# Altium PCB SVPX_FMC_6U_SOM.PcbDoc (part 2 of 9)
Units mm, origin at the board's own origin, x right, y up, seen from the top; angles counter-clockwise.
Board outline 160.38 x 233.53 mm, 10 copper layers (Top Layer, L1, P1, L2, P2, P3, L3, P4, L4, Bottom Layer), stack 1.749 mm thick; 649 components, 1262 nets, 4113 pads, 1924 vias.
Unrouted connection lines stored in the file: 1553.
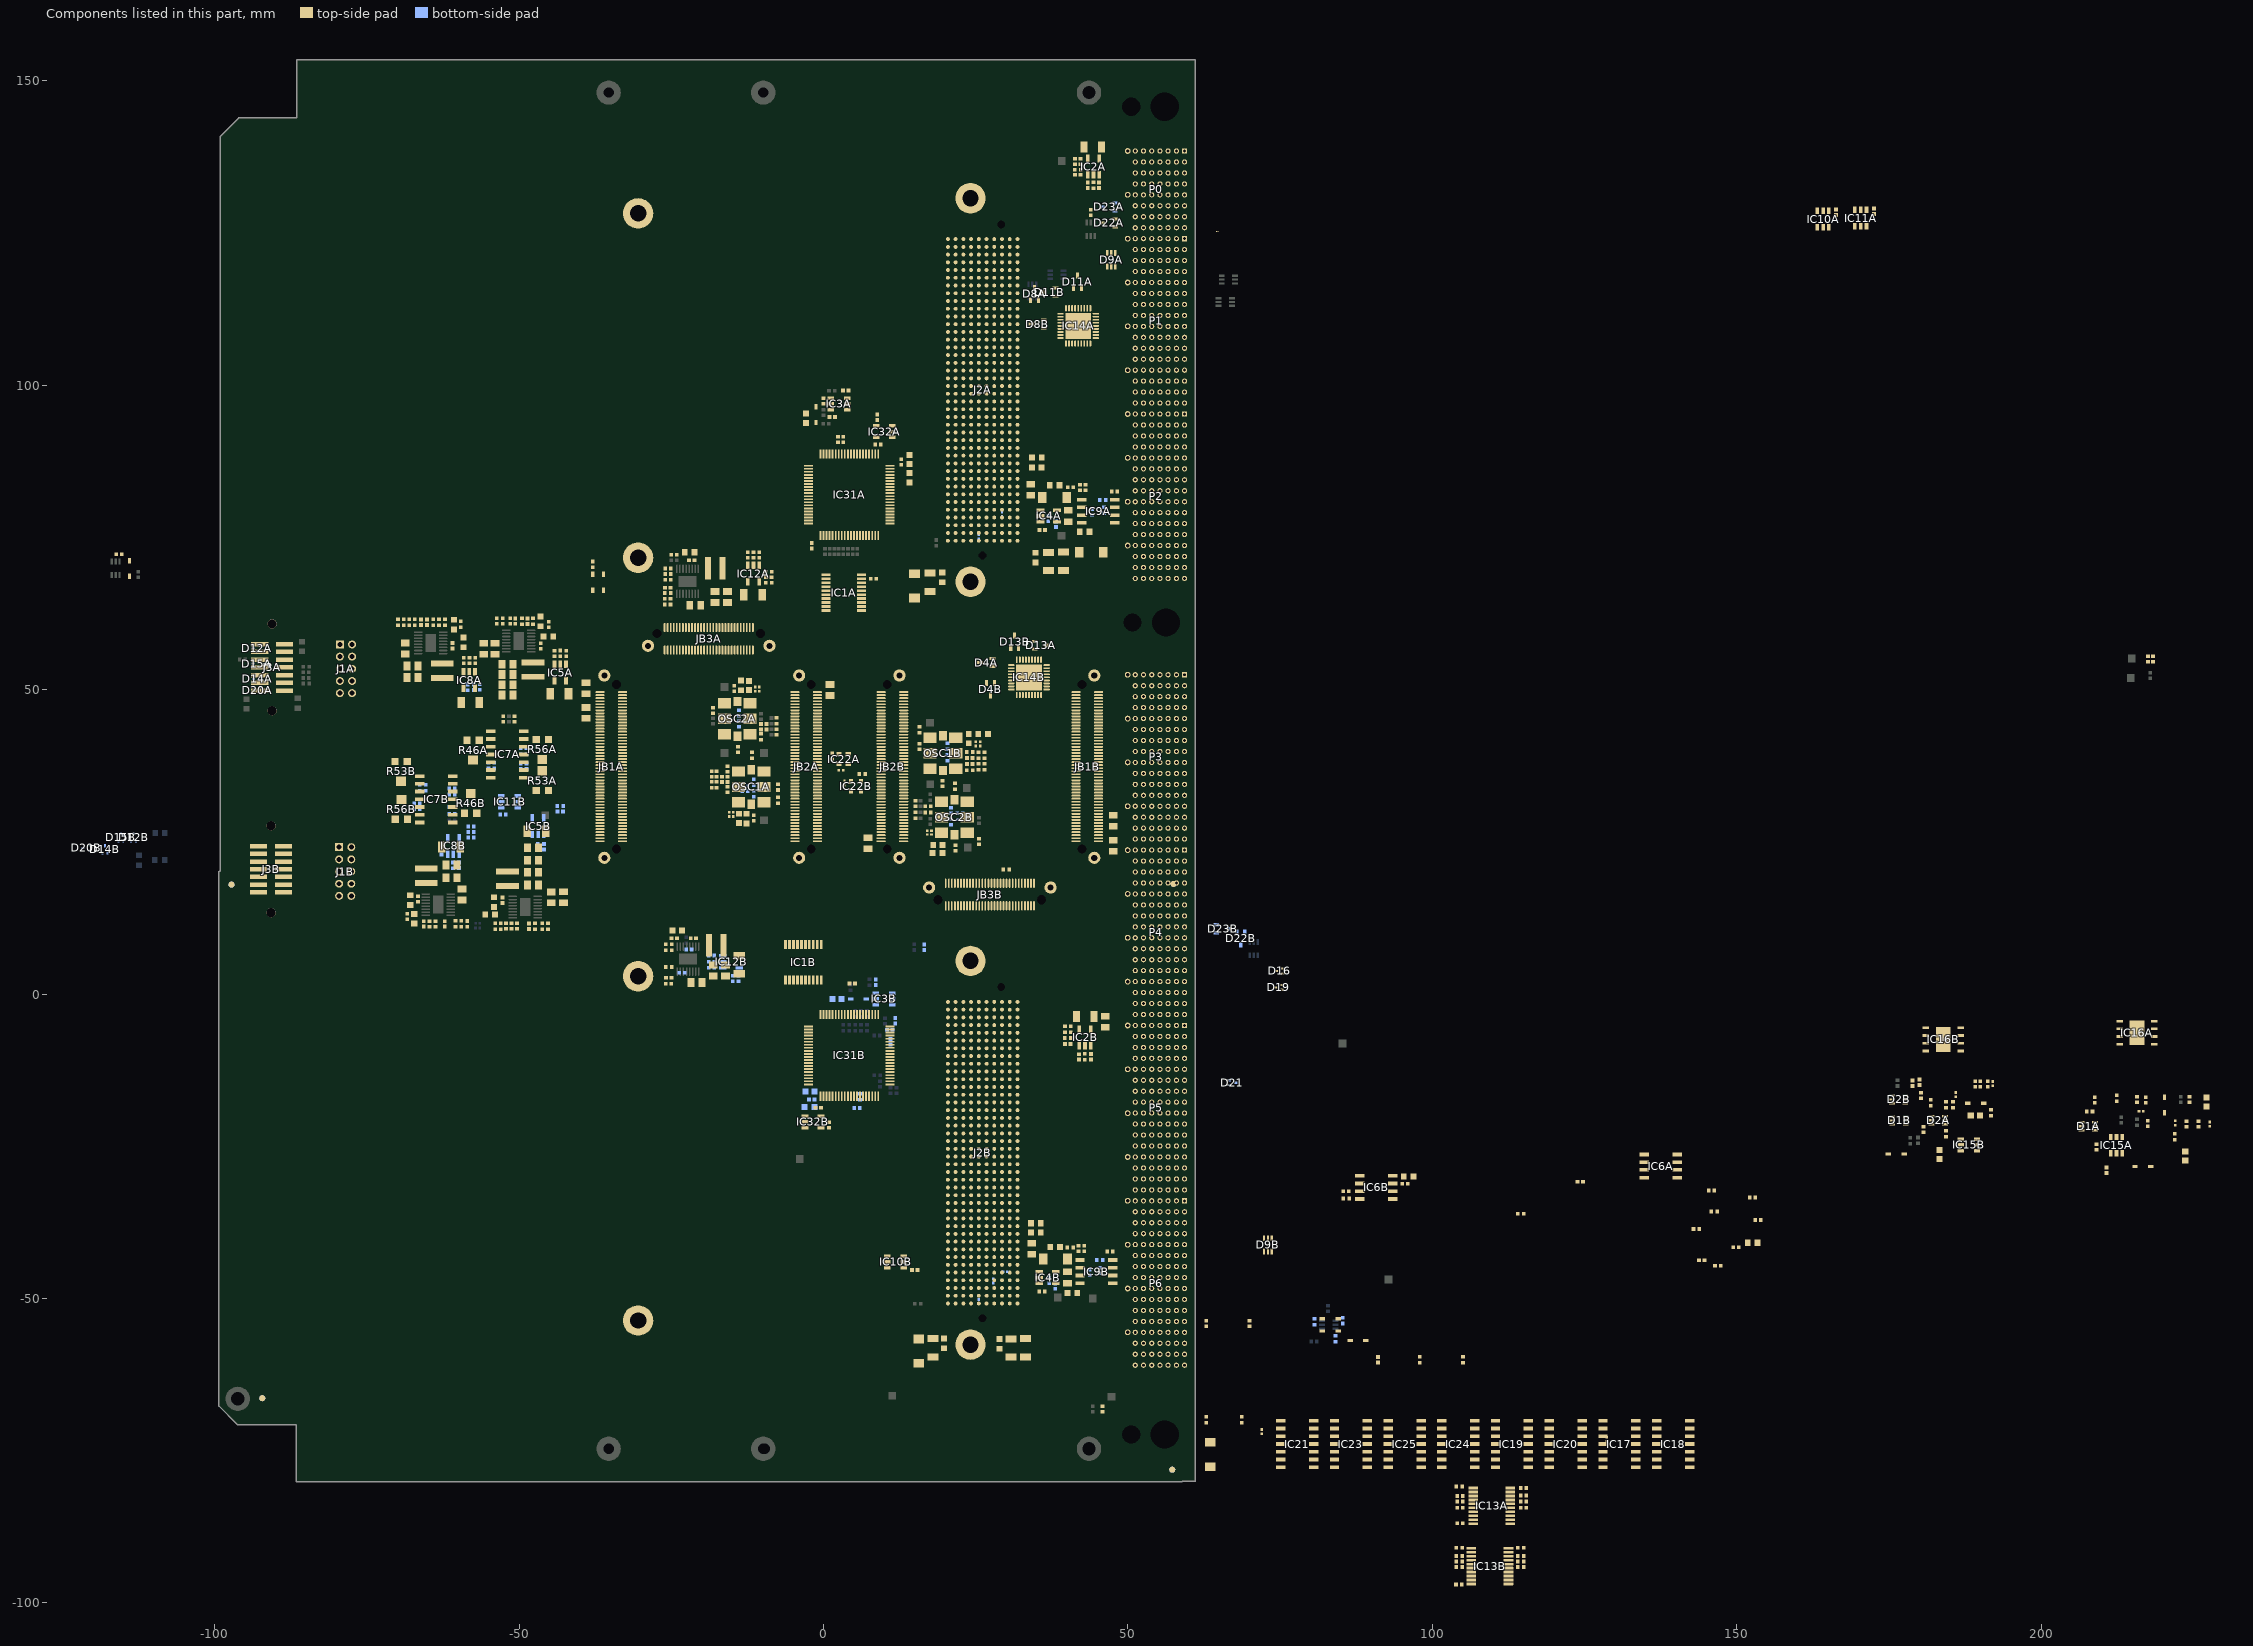
[diagram p10: the components of this part, seen from the top]

## Classes and differential pairs (continued)
differential pair HA03B: +HA03B_P -HA03B_N
differential pair HA03A: +HA03A_P -HA03A_N
differential pair HA02B: +HA02B_P -HA02B_N
differential pair HA02A: +HA02A_P -HA02A_N
differential pair HA01_CCB: +HA01_CCB_P -HA01_CCB_N
differential pair HA01_CCA: +HA01_CCA_P -HA01_CCA_N
differential pair HA00_CCB: +HA00_CCB_P -HA00_CCB_N
differential pair HA00_CCA: +HA00_CCA_P -HA00_CCA_N
differential pair GBTCLK1_M2CB: +GBTCLK1_M2CB_P -GBTCLK1_M2CB_N
differential pair GBTCLK1_M2CA: +GBTCLK1_M2CA_P -GBTCLK1_M2CA_N
differential pair GBTCLK0_M2CB: +GBTCLK0_M2CB_P -GBTCLK0_M2CB_N
differential pair GBTCLK0_M2CA: +GBTCLK0_M2CA_P -GBTCLK0_M2CA_N
differential pair DP9_M2CB: +DP9_M2CB_P -DP9_M2CB_N
differential pair DP9_M2CA: +DP9_M2CA_P -DP9_M2CA_N
differential pair DP9_C2MB: +DP9_C2MB_P -DP9_C2MB_N
differential pair DP9_C2MA: +DP9_C2MA_P -DP9_C2MA_N
differential pair DP8_M2CB: +DP8_M2CB_P -DP8_M2CB_N
differential pair DP8_M2CA: +DP8_M2CA_P -DP8_M2CA_N
differential pair DP8_C2MB: +DP8_C2MB_P -DP8_C2MB_N
differential pair DP8_C2MA: +DP8_C2MA_P -DP8_C2MA_N
differential pair DP7_M2CB: +DP7_M2CB_P -DP7_M2CB_N
differential pair DP7_M2CA: +DP7_M2CA_P -DP7_M2CA_N
differential pair DP7_C2MB: +DP7_C2MB_P -DP7_C2MB_N
differential pair DP7_C2MA: +DP7_C2MA_P -DP7_C2MA_N
differential pair DP6_M2CB: +DP6_M2CB_P -DP6_M2CB_N
differential pair DP6_M2CA: +DP6_M2CA_P -DP6_M2CA_N
differential pair DP6_C2MB: +DP6_C2MB_P -DP6_C2MB_N
differential pair DP6_C2MA: +DP6_C2MA_P -DP6_C2MA_N
differential pair DP5_M2CB: +DP5_M2CB_P -DP5_M2CB_N
differential pair DP5_M2CA: +DP5_M2CA_P -DP5_M2CA_N
differential pair DP5_C2MB: +DP5_C2MB_P -DP5_C2MB_N
differential pair DP5_C2MA: +DP5_C2MA_P -DP5_C2MA_N
differential pair DP4_M2CB: +DP4_M2CB_P -DP4_M2CB_N
differential pair DP4_M2CA: +DP4_M2CA_P -DP4_M2CA_N
differential pair DP4_C2MB: +DP4_C2MB_P -DP4_C2MB_N
differential pair DP4_C2MA: +DP4_C2MA_P -DP4_C2MA_N
differential pair DP3_M2CB: +DP3_M2CB_P -DP3_M2CB_N
differential pair DP3_M2CA: +DP3_M2CA_P -DP3_M2CA_N
differential pair DP3_C2MB: +DP3_C2MB_P -DP3_C2MB_N
differential pair DP3_C2MA: +DP3_C2MA_P -DP3_C2MA_N
differential pair DP2_M2CB: +DP2_M2CB_P -DP2_M2CB_N
differential pair DP2_M2CA: +DP2_M2CA_P -DP2_M2CA_N
differential pair DP2_C2MB: +DP2_C2MB_P -DP2_C2MB_N
differential pair DP2_C2MA: +DP2_C2MA_P -DP2_C2MA_N
differential pair DP1_M2CB: +DP1_M2CB_P -DP1_M2CB_N
differential pair DP1_M2CA: +DP1_M2CA_P -DP1_M2CA_N
differential pair DP1_C2MB: +DP1_C2MB_P -DP1_C2MB_N
differential pair DP1_C2MA: +DP1_C2MA_P -DP1_C2MA_N
differential pair DP0_M2CB: +DP0_M2CB_P -DP0_M2CB_N
differential pair DP0_M2CA: +DP0_M2CA_P -DP0_M2CA_N
differential pair DP0_C2MB: +DP0_C2MB_P -DP0_C2MB_N
differential pair DP0_C2MA: +DP0_C2MA_P -DP0_C2MA_N
differential pair CLK3_BIDIRB: +CLK3_BIDIRB_P -CLK3_BIDIRB_N
differential pair CLK3_BIDIRA: +CLK3_BIDIRA_P -CLK3_BIDIRA_N
differential pair CLK2_BIDIRB: +CLK2_BIDIRB_P -CLK2_BIDIRB_N
differential pair CLK2_BIDIRA: +CLK2_BIDIRA_P -CLK2_BIDIRA_N
differential pair CLK1_M2CB: +CLK1_M2CB_P -CLK1_M2CB_N
differential pair CLK1_M2CA: +CLK1_M2CA_P -CLK1_M2CA_N
differential pair CLK0_M2CB: +CLK0_M2CB_P -CLK0_M2CB_N
differential pair CLK0_M2CA: +CLK0_M2CA_P -CLK0_M2CA_N
differential pair REF_CLK1: +REF_CLK1_P -REF_CLK1_N
differential pair AUX_CLK: +AUX_CLK_P -AUX_CLK_N
differential pair UTP02-TD0: +UTP02-TD0_P -UTP02-TD0_N
differential pair UTP02-RD0: +UTP02-RD0_P -UTP02-RD0_N
differential pair UTP01-TD0: +UTP01-TD0_P -UTP01-TD0_N
differential pair UTP01-RD0: +UTP01-RD0_P -UTP01-RD0_N
differential pair REF_CLK2: +REF_CLK2_P -REF_CLK2_N
differential pair CPtp02-DD: +CPtp02-DD_P -CPtp02-DD_N
differential pair CPtp02-DC: +CPtp02-DC_P -CPtp02-DC_N
differential pair CPtp02-DB: +CPtp02-DB_P -CPtp02-DB_N
differential pair CPtp02-DA: +CPtp02-DA_P -CPtp02-DA_N
differential pair CPtp01-DD: +CPtp01-DD_P -CPtp01-DD_N
differential pair CPtp01-DC: +CPtp01-DC_P -CPtp01-DC_N
differential pair CPtp01-DB: +CPtp01-DB_P -CPtp01-DB_N
differential pair CPtp01-DA: +CPtp01-DA_P -CPtp01-DA_N

## Components (designator, comment, footprint, x,y, rotation, side; value= is the part's Value field where it differs from the comment)
B1A "Plated Hole" MTG270_500 -30.455,71.667 r0 top (schematic designator B1)
B1B "Plated Hole" MTG270_500 -30.455,-53.612 r0 top (schematic designator B1)
B2A "Plated Hole" MTG270_500 24.145,67.717 r0 top (schematic designator B2)
B2B "Plated Hole" MTG270_500 24.145,-57.562 r0 top (schematic designator B2)
B3A "Plated Hole" MTG270_500 24.145,130.717 r0 top (schematic designator B3)
B3B "Plated Hole" MTG270_500 24.145,5.438 r0 top (schematic designator B3)
B4A "Plated Hole" MTG270_500 -30.455,128.217 r0 top (schematic designator B4)
B4B "Plated Hole" MTG270_500 -30.455,2.938 r0 top (schematic designator B4)
C1A "10uF" CAPC2012X95N -55.791,56.728 r90 top (schematic designator C1)
C1B "10uF" CAPC2012X95N -42.723,15.9 r270 top (schematic designator C1)
C2A "100nF" CAPC1005X55N 8.212,68.205 r0 top (schematic designator C2)
C2B "100nF" CAPC1005X55N 124.3,-30.825 r0 top (schematic designator C2)
C3A "10uF" CAPC2012X95N -38.989,50.241 r90 top (schematic designator C3)
C3B "10uF" CAPC2012X95N 7.3,24.775 r270 top (schematic designator C3)
C4A "10uF" CAPC2012X95N 1.05,49.95 r270 top (schematic designator C4)
C4B "10uF" CAPC2012X95N 47.6,24.35 r90 top (schematic designator C4)
C5A "10uF" CAPC2012X95N -53.966,56.728 r90 top (schematic designator C5)
C5B "10uF" CAPC2012X95N -44.704,15.875 r270 top (schematic designator C5)
C6A "100nF" CAPC1005X55N -46.434,57.178 r270 top (schematic designator C6)
C6B "100nF" CAPC1005X55N -52.705,15.418 r90 top (schematic designator C6)
C7A "4.7pF" CAPC1005X55N -48.609,61.228 r90 top (schematic designator C7)
C7B "4.7pF" CAPC1005X55N -51.232,11.176 r270 top (schematic designator C7)
C8A "1uF" CAPC1608X87N 42.9,75.925 r180 top (schematic designator C8)
C8B "1uF" CAPC1608X87N 40.875,-49.088 r180 top (schematic designator C8)
C9A "47uF" CAPC2012X140N -51.902,49.143 r0 top (schematic designator C9)
C9B "47uF" CAPC2012X140N -47.7,17.925 r180 top (schematic designator C9)
C10A "100nF" CAPC1005X55N -44.196,55.931 r270 top (schematic designator C10)
C10B "100nF" CAPC1005X55N -48.793,26.746 r270 bottom (schematic designator C10)
C11A "10nF" CAPC1005X55N 144.228,-43.713 r0 top (schematic designator C11)
C11B "10nF" CAPC1005X55N 91.05,-60.054 r90 top (schematic designator C11)
C12A "1uF" CAPC1608X87N 152.59,-40.843 r0 top (schematic designator C12)
C12B "1uF" CAPC1608X87N 96.088,-29.947 r180 top (schematic designator C12)
C18A "10uF" CAPC2012X95N -68.703,56.75 r90 top (schematic designator C18)
C18B "10uF" CAPC2012X95N -59.367,16.352 r270 top (schematic designator C18)
C19A "100nF" CAPC1005X55N -60.95,57.2 r270 top (schematic designator C19)
C19B "100nF" CAPC1005X55N -66.617,15.602 r90 top (schematic designator C19)
C20A "47uF" CAPC2012X140N -67.525,51.975 r0 top (schematic designator C20)
C20B "47uF" CAPC2012X140N -61.067,19.102 r180 top (schematic designator C20)
C21A "47uF" CAPC2012X140N -67.525,53.875 r0 top (schematic designator C21)
C21B "47uF" CAPC2012X140N -61.092,21.177 r180 top (schematic designator C21)
C22A "10nF" CAPC1005X55N -42.266,55.931 r90 top (schematic designator C22)
C22B "10nF" CAPC1005X55N -45.892,24.194 r270 bottom (schematic designator C22)
C23A "10nF" CAPC1005X55N 42.15,83.205 r90 top (schematic designator C23)
C23B "10nF" CAPC1005X55N 41.875,-41.8 r90 top (schematic designator C23)
C24A "10nF" CAPC1005X55N -66.125,61.075 r270 top (schematic designator C24)
C24B "10nF" CAPC1005X55N -62.217,11.527 r90 top (schematic designator C24)
C25A "10nF" CAPC1005X55N -57.199,54.775 r90 top (schematic designator C25)
C25B "10nF" CAPC1005X55N -59.867,21.14 r270 bottom (schematic designator C25)
C26A "10nF" CAPC1005X55N -10.55,72.1 r90 top (schematic designator C26)
C26B "10nF" CAPC1005X55N -18.395,4.325 r180 bottom (schematic designator C26)
C27A "1uF" CAPC1608X87N -60.681,60.681 r270 top (schematic designator C27)
C27B "1uF" CAPC1608X87N -67.208,12.37 r90 top (schematic designator C27)
C28A "1uF" CAPC1608X87N -59.15,57.775 r90 top (schematic designator C28)
C28B "1uF" CAPC1608X87N -67.867,15.427 r270 top (schematic designator C28)
C29A "10uF" CAPC2012X95N -21.075,63.862 r180 top (schematic designator C29)
C29B "10uF" CAPC2012X95N -20.87,1.875 r180 top (schematic designator C29)
C30A "100nF" CAPC1005X55N -21.65,71.25 r0 top (schematic designator C30)
C30B "100nF" CAPC1005X55N -21.37,9.175 r0 top (schematic designator C30)
C31A "10nF" CAPC1005X55N -25.575,66.725 r0 top (schematic designator C31)
C31B "10nF" CAPC1005X55N -25.42,2.675 r0 top (schematic designator C31)
C32A "1uF" CAPC1608X87N -21.975,72.57 r180 top (schematic designator C32)
C32B "1uF" CAPC1608X87N -24.02,10.425 r180 top (schematic designator C32)
C33A "10uF" CAPC2012X95N -38.989,46.177 r270 top (schematic designator C33)
C33B "10uF" CAPC2012X95N 47.6,28.45 r90 top (schematic designator C33)
C34A "100nF" CAPC0603X33N 71.956,-71.873 r90 top (schematic designator C34)
C34B "100nF" CAPC0603X33N 128.675,-73.125 r90 top (schematic designator C34)
C35A "47uF" CAPC2012X140N -51.927,50.793 r0 top (schematic designator C35)
C35B "47uF" CAPC2012X140N -47.69,21.97 r180 top (schematic designator C35)
C72A "47uF" CAPC2012X140N -51.927,52.468 r0 top (schematic designator C72)
C72B "47uF" CAPC2012X140N -47.69,24.045 r180 top (schematic designator C72)
C74A "100nF" CAPC1005X55N 35.925,76.2 r180 top (schematic designator C74)
C74B "100nF" CAPC1005X55N 35.9,-48.863 r180 top (schematic designator C74)
C75A "10nF" CAPC1005X55N 38.175,77.15 r90 bottom (schematic designator C75)
C75B "10nF" CAPC1005X55N 38.05,-47.963 r90 bottom (schematic designator C75)
C76A "4.7pF" CAPC1005X55N -65.125,61.075 r90 top (schematic designator C76)
C76B "4.7pF" CAPC1005X55N -65.667,11.527 r270 top (schematic designator C76)
C78A "47uF" CAPC2012X140N -17.8,65.25 r90 top (schematic designator C78)
C78B "47uF" CAPC2012X140N -18.094,3.871 r90 top (schematic designator C78)
C79A "47uF" CAPC2012X140N -15.75,65.25 r90 top (schematic designator C79)
C79B "47uF" CAPC2012X140N -16.069,3.871 r90 top (schematic designator C79)
C80A "4.7pF" CAPC1005X55N -25.55,69.875 r180 top (schematic designator C80)
C80B "4.7pF" CAPC1005X55N -24.495,9.15 r0 top (schematic designator C80)
C82A "10nF" CAPC1005X55N 217.546,55.027 r90 top (schematic designator C82)
C82B "10nF" CAPC1005X55N -43.237,29.982 r0 bottom (schematic designator C82)
C83A "100nF" CAPC1005X55N -52.603,45.187 r270 top (schematic designator C83)
C83B "100nF" CAPC1005X55N -61.011,29.591 r0 bottom (schematic designator C83)
C86A "10nF" CAPC1005X55N -57.405,50.4 r90 bottom (schematic designator C86)
C86B "10nF" CAPC1005X55N -57.904,27.524 r180 bottom (schematic designator C86)
C87A "10nF" CAPC1005X55N -9,68.475 r0 top (schematic designator C87)
C87B "10nF" CAPC1005X55N 11.025,-7.825 r270 bottom (schematic designator C87)
C166A "10nF" CAPC1005X55N 41.766,134.565 r180 top (schematic designator C166)
C166B "10nF" CAPC1005X55N 40.126,-8.193 r0 top (schematic designator C166)
C172A "1nF" CAPC1005X55N 0,97.4 r90 top (schematic designator C172)
C172B "1nF" CAPC1005X55N 10.875,-5.85 r180 bottom (schematic designator C172)
C173A "10uF" CAPC1608X80N -2.875,94.575 r90 top (schematic designator C173)
C173B "10uF" CAPC1608X80N 2.225,-0.825 r180 bottom (schematic designator C173)
C174 "10uF" CAPC2012X135N 46.301,-4.518 r270 top
C175A "100nF" CAPC0603X33N -12.8,34.325 r0 bottom (schematic designator C175)
C175B "100nF" CAPC0603X33N 22.409,28.697 r180 bottom (schematic designator C175)
C176A "4.7uF" CAPC1608X90N -13.874,28.85 r90 top (schematic designator C176)
C176B "4.7uF" CAPC1608X90N 23.85,41.95 r90 top (schematic designator C176)
C177A "1nF" CAPC0603X33N -15.449,29.5 r90 top (schematic designator C177)
C177B "1nF" CAPC0603X33N 25,41.1 r90 top (schematic designator C177)
C178A "100nF" CAPC1005X55N -16.224,35.675 r180 top (schematic designator C178)
C178B "100nF" CAPC1005X55N 24.025,37.775 r0 top (schematic designator C178)
C179A "100nF" CAPC0603X33N 25.525,75.075 r270 bottom (schematic designator C179)
C179B "100nF" CAPC0603X33N 25.466,-50.518 r270 bottom (schematic designator C179)
C180A "100nF" CAPC0603X33N 216.425,-19.225 r180 top (schematic designator C180)
C180B "100nF" CAPC0603X33N 27.87,-47.084 r90 bottom (schematic designator C180)
C181A "22uF" CAPC3216X180N 36.98,71.063 r270 top (schematic designator C181)
C181B "22uF" CAPC3216X180N 33.185,-58.1 r270 top (schematic designator C181)
C182A "100nF" CAPC1005X55N -16.224,34.85 r180 top (schematic designator C182)
C182B "100nF" CAPC1005X55N 24.025,38.775 r0 top (schematic designator C182)
C183A "1uF" CAPC1608X87N 34.788,71.691 r90 top (schematic designator C183)
C183B "1uF" CAPC1608X87N 28.885,-57.45 r90 top (schematic designator C183)
C184A "22uF" CAPC3216X180N 17.525,67.65 r270 top (schematic designator C184)
C184B "22uF" CAPC3216X180N 17.95,-58.075 r270 top (schematic designator C184)
C185A "1uF" CAPC1608X87N 19.5,68.45 r90 top (schematic designator C185)
C185B "1uF" CAPC1608X87N 19.8,-57.375 r90 top (schematic designator C185)
C186A "1nF" CAPC0603X33N -14.824,29.5 r90 top (schematic designator C186)
C186B "1nF" CAPC0603X33N 25.75,41.1 r90 top (schematic designator C186)
C187A "22uF" CAPC3216X180N 39.413,71.091 r270 top (schematic designator C187)
C187B "22uF" CAPC3216X180N 30.81,-58.11 r270 top (schematic designator C187)
C188A "4.7uF" CAPC1608X90N -12.225,50.675 r270 top (schematic designator C188)
C188B "4.7uF" CAPC1608X90N 18.774,24.497 r180 top (schematic designator C188)
C189A "100nF" CAPC0603X33N 29.32,78.775 r270 bottom (schematic designator C189)
C189B "100nF" CAPC0603X33N 29.825,-45.625 r180 bottom (schematic designator C189)
C190A "10uF" CAPC2012X135N 34.025,82.85 r90 top (schematic designator C190)
C190B "10uF" CAPC2012X135N 34.175,-41.85 r90 top (schematic designator C190)
C191A "1nF" CAPC0603X33N -10.575,50.075 r270 top (schematic designator C191)
C191B "1nF" CAPC0603X33N 17.375,26.83 r0 top (schematic designator C191)
C192A "1uF" CAPC1608X87N 37.95,83.575 r180 top (schematic designator C192)
C192B "1uF" CAPC1608X87N 38.05,-41.563 r180 top (schematic designator C192)
C193A "1uF" CAPC1608X87N 35.025,86.475 r180 top (schematic designator C193)
C193B "1uF" CAPC1608X87N 34.875,-37.639 r180 top (schematic designator C193)
C194A "100nF" CAPC1005X55N -9.8,43.475 r0 top (schematic designator C194)
C194B "100nF" CAPC1005X55N 17.15,30.83 r180 top (schematic designator C194)
C195A "100nF" CAPC1005X55N -9.8,44.375 r0 top (schematic designator C195)
C195B "100nF" CAPC1005X55N 17.15,29.83 r180 top (schematic designator C195)
C196A "1nF" CAPC0603X33N -11.2,50.075 r270 top (schematic designator C196)
C196B "1nF" CAPC0603X33N 17.384,26.21 r0 top (schematic designator C196)
C197A "100nF" CAPC0603X33N 222.025,-21.175 r90 top (schematic designator C197)
C197B "100nF" CAPC0603X33N 192.034,-14.725 r90 top (schematic designator C197)
C199A "10nF" CAPC1005X55N 1.425,94.8 r180 top (schematic designator C199)
C199B "10nF" CAPC1005X55N 8.575,1.95 r270 bottom (schematic designator C199)
C200A "100nF" CAPC0603X33N 227.65,-21.375 r90 top (schematic designator C200)
C200B "100nF" CAPC0603X33N 185.95,-16.5 r90 top (schematic designator C200)
C201A "100nF" CAPC1005X55N 3.65,99.125 r0 top (schematic designator C201)
C201B "100nF" CAPC1005X55N 11.775,-4.375 r90 bottom (schematic designator C201)
C202A "10uF" CAPC1608X80N 14.1,87.8 r270 top (schematic designator C202)
C202B "10uF" CAPC1608X80N -2.225,-16.025 r0 bottom (schematic designator C202)
C203A "100nF" CAPC1005X55N 12.775,87.375 r270 top (schematic designator C203)
C203B "100nF" CAPC1005X55N -1.95,-17.3 r0 bottom (schematic designator C203)
C204A "100nF" CAPC1005X55N 45.241,132.84 r90 top (schematic designator C204)
C204B "100nF" CAPC1005X55N 43.951,-10.293 r90 top (schematic designator C204)
C205A "100nF" CAPC1005X55N 43.391,132.84 r270 top (schematic designator C205)
C205B "100nF" CAPC1005X55N 41.976,-10.318 r270 top (schematic designator C205)
C206A "10uF" CAPC1608X80N 223.65,-26.575 r90 top (schematic designator C206)
C206B "10uF" CAPC1608X80N 183.275,-26.35 r90 top (schematic designator C206)
C207A "10nF" CAPC1005X55N 210.725,-28.95 r90 top (schematic designator C207)
C207B "10nF" CAPC1005X55N 180,-14.5 r90 top (schematic designator C207)
C209A "100nF" CAPC1005X55N 209.075,-25.1 r90 top (schematic designator C209)
C209B "100nF" CAPC1005X55N 178.875,-14.65 r90 top (schematic designator C209)
C210A "10uF" CAPC1608X80N 227.135,-17.747 r90 top (schematic designator C210)
C210B "10uF" CAPC1608X80N 189.175,-19.925 r180 top (schematic designator C210)
C211 "1nF" CAPC1005X55N 16.546,7.693 r270 bottom
C212 "1nF" CAPC1005X55N 45.825,-68.135 r90 top
C213A "47uF" CAPC2012X140N -51.927,54.168 r0 top (schematic designator C213)
C213B "47uF" CAPC2012X140N -47.7,20 r180 top (schematic designator C213)
C214A "10nF" CAPC1005X55N -50.609,61.253 r270 top (schematic designator C214)
C214B "10nF" CAPC1005X55N -48.387,11.151 r90 top (schematic designator C214)
C215A "1uF" CAPC1608X87N -46.484,61.228 r270 top (schematic designator C215)
C215B "1uF" CAPC1608X87N -54.737,13.081 r0 top (schematic designator C215)
C216A "1uF" CAPC1608X87N -45.184,58.728 r180 top (schematic designator C216)
C216B "1uF" CAPC1608X87N -54.102,15.088 r270 top (schematic designator C216)
C225A "100nF" CAPC0603X33N 2.875,36.75 r180 top (schematic designator C225)
C225B "100nF" CAPC0603X33N 3.45,34.675 r90 top (schematic designator C225)
C230A "100nF" CAPC1005X55N -1.925,73.65 r90 top (schematic designator C230)
C230B "100nF" CAPC1005X55N 4.725,1.75 r180 top (schematic designator C230)
C232A "100nF" CAPC1005X55N 8.839,94.717 r270 top (schematic designator C232)
C232B "100nF" CAPC1005X55N 0.9,-21.488 r270 top (schematic designator C232)
C233A "100nF" CAPC1005X55N 8.941,90.246 r180 top (schematic designator C233)
C233B "100nF" CAPC1005X55N -0.875,-18.663 r0 top (schematic designator C233)
C234A "100nF" CAPC1005X55N 166.3,128.4 r90 top (schematic designator C234)
C234B "100nF" CAPC1005X55N -52.629,29.511 r180 bottom (schematic designator C234)
C253A "100nF" CAPC1005X55N 172.525,128.575 r90 top (schematic designator C253)
C253B "100nF" CAPC1005X55N 15,-45.325 r180 top (schematic designator C253)
C269A "100nF" CAPC1005X55N -59.099,54.775 r270 top (schematic designator C269)
C269B "100nF" CAPC1005X55N -62.738,23.368 r270 bottom (schematic designator C269)
C270A "100nF" CAPC1005X55N -12.45,72.1 r270 top (schematic designator C270)
C270B "100nF" CAPC1005X55N -18.395,6.325 r0 bottom (schematic designator C270)
D1A "QSBT40-7-F" SOT65P210X110-6N 207.725,-21.7 r0 top (schematic designator D1)
D1B "QSBT40-7-F" SOT65P210X110-6N 176.64,-20.763 r0 top (schematic designator D1)
D2A "QSBT40-7-F" SOT65P210X110-6N 183.08,-20.722 r0 top (schematic designator D2)
D2B "QSBT40-7-F" SOT65P210X110-6N 176.577,-17.313 r0 top (schematic designator D2)
D4A "BAT17-05W" INF-SOT323_N 26.712,54.447 r180 top (schematic designator D4)
D4B "BAT17-05W" INF-SOT323_N 27.422,50.08 r270 top (schematic designator D4)
D5A "BAT165" SOD2512X110N -1.25,95.175 r90 top (schematic designator D5)
D5B "BAT165" SOD2512X110N 5.75,-0.825 r0 bottom (schematic designator D5)
D6A "BAT165" SOD2512X110N -114,69.9 r90 top (schematic designator D6)
D6B "BAT165" SOD2512X110N 83.25,-53.324 r0 top (schematic designator D6)
D7A "BAT165" SOD2512X110N -37.9,67.65 r90 top (schematic designator D7)
D7B "BAT165" SOD2512X110N 87.775,-56.9 r0 top (schematic designator D7)
D8A "BAT17-05W" INF-SOT323_N 34.646,114.986 r90 top (schematic designator D8)
D8B "BAT17-05W" INF-SOT323_N 35.145,110.036 r180 top (schematic designator D8)
D9A "QSBT40-7-F" SOT65P210X110-6N 47.25,120.6 r270 top (schematic designator D9)
D9B "QSBT40-7-F" SOT65P210X110-6N 73,-41.2 r270 top (schematic designator D9)
D10A "BAT165" SOD2512X110N 216.7,-28.325 r180 top (schematic designator D10)
D10B "BAT165" SOD2512X110N 176.186,-26.229 r0 top (schematic designator D10)
D11A "BAT17-05W" INF-SOT323_N 41.716,117.006 r90 top (schematic designator D11)
D11B "BAT17-05W" INF-SOT323_N 37.075,115.301 r180 top (schematic designator D11)
D12A "TVS diode" SOTFL40P120X59-3N -93.05,56.8 r180 bottom value=3.3V (schematic designator D12)
D12B "TVS diode" SOTFL40P120X59-3N -113.313,25.754 r90 bottom value=3.3V (schematic designator D12)
D13A "BAT17-05W" INF-SOT323_N 35.721,57.287 r0 top (schematic designator D13)
D13B "BAT17-05W" INF-SOT323_N 31.405,57.845 r90 top (schematic designator D13)
D14A "TVS diode" SOTFL40P120X59-3N -93.025,51.75 r180 bottom value=3.3V (schematic designator D14)
D14B "TVS diode" SOTFL40P120X59-3N -118.025,23.75 r90 bottom value=3.3V (schematic designator D14)
D15A "TVS diode" SOTFL40P120X59-3N -93.05,54.275 r180 bottom value=3.3V (schematic designator D15)
D15B "TVS diode" SOTFL40P120X59-3N -115.41,25.755 r90 bottom value=3.3V (schematic designator D15)
D16 "TVS diode" SOT-723_(ESD7C3.3DT5G) 74.917,3.8 r180 top value=3.3V
D17A "BAT165" SOD2512X110N -36.15,67.625 r270 top (schematic designator D17)
D17B "BAT165" SOD2512X110N 83.25,-55.331 r0 top (schematic designator D17)
D18A "BAT165" SOD2512X110N 220.26,-18.222 r90 top (schematic designator D18)
D18B "BAT165" SOD2512X110N 189.238,-17.929 r0 top (schematic designator D18)
D19 "TVS diode" SOT-723_(ESD7C3.3DT5G) 74.775,1.1 r180 top value=3.3V
D20A "TVS diode" SOTFL40P120X59-3N -93.025,49.925 r180 bottom value=3.3V (schematic designator D20)
D20B "TVS diode" SOTFL40P120X59-3N -121.075,24.025 r180 bottom value=3.3V (schematic designator D20)
D21 "TVS diode" SOT-723_(ESD7C3.3DT5G) 67.15,-14.555 r0 bottom value=3.3V
D22A "" SOT65P210X110-3N 46.875,126.65 r180 top (schematic designator D22)
D22B "" SOT65P210X110-3N 68.55,9.15 r270 bottom (schematic designator D22)
D23A "" SOT65P210X110-3N 46.85,129.275 r180 bottom (schematic designator D23)
D23B "" SOT65P210X110-3N 65.55,10.725 r0 bottom (schematic designator D23)
FTG1 "Use only in PCB" FIDUCIAL_TOP_C100-200 -97.225,17.975 r90 bottom
FTG2 "Use only in PCB" FIDUCIAL_TOP_C100-200 -92.175,-66.375 r90 bottom
FTG3 "Use only in PCB" FIDUCIAL_TOP_C100-200 57.506,18.11 r90 bottom
FTG4 "Use only in PCB" FIDUCIAL_TOP_C100-200 57.277,-78.105 r90 bottom
FTG5 "Use only in PCB" FIDUCIAL_TOP_C100-200 -97.225,17.975 r90 top
FTG6 "Use only in PCB" FIDUCIAL_TOP_C100-200 -92.175,-66.375 r90 top
FTG7 "Use only in PCB" FIDUCIAL_TOP_C100-200 57.506,18.11 r90 top
FTG8 "Use only in PCB" FIDUCIAL_TOP_C100-200 57.277,-78.105 r90 top
IC1A "TXB0108PW" SOP65P640X120-20N 3.312,65.93 r0 top (schematic designator IC1)
IC1B "TXB0108PW" SOP65P640X120-20N -3.3,5.225 r90 top (schematic designator IC1)
IC2A "MAX4372FEUK" SOT95P270X145-5N#1 44.341,135.89 r90 top (schematic designator IC2)
IC2B "MAX4372FEUK" SOT95P270X145-5N#2 42.951,-7.118 r90 bottom (schematic designator IC2)
IC3A "TPS3808G33DBVT" SOT95P280X145-6N 2.53,96.93 r0 top (schematic designator IC3)
IC3B "TPS3808G33DBVT" SOT95P280X145-6N 9.925,-0.8 r0 bottom (schematic designator IC3)
IC4A "MAX4372FEUK" SOT95P270X145-5N#2 36.994,78.523 r0 bottom (schematic designator IC4)
IC4B "MAX4372FEUK" SOT95P270X145-5N#2 36.8,-46.563 r0 bottom (schematic designator IC4)
IC5A "MAX4372FEUK" SOT95P270X145-5N#2 -43.231,52.807 r270 bottom (schematic designator IC5)
IC5B "MAX4372FEUK" SOT95P270X145-5N#2 -46.867,27.574 r90 top (schematic designator IC5)
IC6A "FPF2701MX" SOIC127P600X175-8N 137.49,-28.245 r0 top (schematic designator IC6)
IC6B "FPF2701MX" SOIC127P600X175-8N 90.805,-31.75 r0 top (schematic designator IC6)
IC7A "LM339AD" SOIC127P600X175-14N -51.925,39.35 r0 top (schematic designator IC7)
IC7B "LM339AD" SOIC127P600X175-14N -63.625,31.989 r180 top (schematic designator IC7)
IC8A "MAX4372FEUK" SOT95P270X145-5N#2 -58.175,51.562 r270 bottom (schematic designator IC8)
IC8B "MAX4372FEUK" SOT95P270X145-5N#2 -60.782,24.333 r90 top (schematic designator IC8)
IC9A "FPF2701MX" SOIC127P600X175-8N 45.1,79.3 r180 top (schematic designator IC9)
IC9B "FPF2701MX" SOIC127P600X175-8N 44.825,-45.588 r180 top (schematic designator IC9)
IC10A "TMP100NA/250" SOT95P280X145-6N 164.175,127.275 r90 top (schematic designator IC10)
IC10B "TMP100NA/250" SOT95P280X145-6N 11.85,-44 r0 top (schematic designator IC10)
IC11A "TMP100NA/250" SOT95P280X145-6N 170.35,127.45 r90 top (schematic designator IC11)
IC11B "TMP100NA/250" SOT95P280X145-6N -51.562,31.591 r180 bottom (schematic designator IC11)
IC12A "MAX4372FEUK" SOT95P270X145-5N#2 -11.5,69.05 r270 bottom (schematic designator IC12)
IC12B "MAX4372FEUK" SOT95P270X145-5N#2 -15.17,5.3 r0 top (schematic designator IC12)
IC13A "TXS0108EPWR" PW0020A_M 109.75,-84.05 r0 top (schematic designator IC13)
IC13B "TXS0108EPWR" PW0020A_M 109.45,-93.95 r0 top (schematic designator IC13)
IC14A "MAX14979EETXT" QFN50P600X600X90-37N-S425 41.832,109.746 r180 top (schematic designator IC14)
IC14B "MAX14979EETXT" QFN50P600X600X90-37N-S425 33.747,52.024 r180 top (schematic designator IC14)
IC15A "TPS3808G50DBVT" SOT95P280X145-6N 212.35,-24.825 r90 top (schematic designator IC15)
IC15B "TPS3808G50DBVT" SOT95P280X145-6N 188.1,-24.775 r0 top (schematic designator IC15)
IC16A "CY15B104Q-LHXI" SON127P600X500X80-9N-R240X410 215.725,-6.35 r0 top (schematic designator IC16)
IC16B "CY15B104Q-LHXI" SON127P600X500X80-9N-R240X410 183.9,-7.45 r0 top (schematic designator IC16)
IC17 "CD4066BM" SOIC127P600X175-14N 130.725,-73.897 r0 top
IC18 "CD4066BM" SOIC127P600X175-14N 139.539,-73.897 r0 top
IC19 "CD4066BM" SOIC127P600X175-14N 113.072,-73.897 r0 top
IC20 "CD4066BM" SOIC127P600X175-14N 121.911,-73.897 r0 top
IC21 "CD4066BM" SOIC127P600X175-14N 77.791,-73.897 r0 top
IC22A "DSC1001DL5-100.0000" OSC_MICREL_2520 3.3,38.575 r180 bottom (schematic designator IC22)
IC22B "DSC1001DL5-100.0000" OSC_MICREL_2520 5.325,34.125 r90 bottom (schematic designator IC22)
IC23 "CD4066BM" SOIC127P600X175-14N 86.631,-73.897 r0 top
IC24 "CD4066BM" SOIC127P600X175-14N 104.258,-73.897 r0 top
IC25 "CD4066BM" SOIC127P600X175-14N 95.444,-73.897 r0 top
IC31A "MSP430FR5994IPN" QFP50P1400X1400X120-80N 4.25,82.025 r270 top (schematic designator IC31)
IC31B "MSP430FR5994IPN" QFP50P1400X1400X120-80N 4.25,-10.075 r90 top (schematic designator IC31)
IC32A "LM4120AIM5-2.0/NOPB" SOT95P280X145-5N 9.982,92.38 r180 top (schematic designator IC32)
IC32B "LM4120AIM5-2.0/NOPB" SOT95P280X145-5N -1.725,-20.988 r0 top (schematic designator IC32)
J1A "62501021621" 62501021621 -78.425,53.425 r270 top (schematic designator J1)
J1B "62501021621" 62501021621 -78.55,20.125 r270 top (schematic designator J1)
J2A "VITA 57" SAMTEC_ASP-134486-01 26.145,99.226 r90 top locked (schematic designator J2)
J2B "VITA 57" SAMTEC_ASP-134486-01 26.145,-26.053 r90 top locked (schematic designator J2)
J3A "SHF-107-01-L-D-SM" SHF-107-01-L-D-SM-LC -90.557,53.665 r270 top (schematic designator J3)
J3B "SHF-107-01-L-D-SM" SHF-107-01-L-D-SM-LC -90.725,20.5 r270 top (schematic designator J3)
JB1A "TE0720_JB1" LSHM-150-XXX-X-DV-A-X -34.85,37.35 r270 top (schematic designator JB1)
JB1B "TE0720_JB1" LSHM-150-XXX-X-DV-A-X 43.325,37.35 r90 top (schematic designator JB1)
JB2A "TE0720_JB2" LSHM-150-XXX-X-DV-A-X -2.85,37.35 r270 top (schematic designator JB2)
JB2B "TE0720_JB2" LSHM-150-XXX-X-DV-A-X 11.325,37.35 r90 top (schematic designator JB2)
JB3A "TE0720_JB3" LSHM-130-04.0-x-DV-A-S-K-TR -18.85,58.35 r0 top (schematic designator JB3)
JB3B "TE0720_JB3" LSHM-130-04.0-x-DV-A-S-K-TR 27.325,16.35 r180 top (schematic designator JB3)
K1 "VPX Connector" BTB5-5-2H2F 50.554,-72.335 r90 top locked
K2 "VPX Connector" BTB5-5-2H2F 50.754,61.015 r90 top locked
K3 "VPX Connector" BTB5-5-2H2F 50.554,145.715 r90 top locked
L1A "4.7 A, 2.2 uH" WE-MAIA_4020 -47.709,53.303 r270 top (schematic designator L1)
L1B "4.7 A, 2.2 uH" WE-MAIA_4020 -51.9,18.95 r90 top (schematic designator L1)
L3A "1000R@100MHz" INDC1608X95N 35.05,88.125 r180 top (schematic designator L3)
L3B "1000R@100MHz" INDC1608X95N 34.875,-39.139 r180 top (schematic designator L3)
L4A "3.6 A, 3.3 uH" WE-MAIA_4020 -62.6,53.1 r270 top (schematic designator L4)
L4B "3.6 A, 3.3 uH" WE-MAIA_4020 -65.267,19.402 r90 top (schematic designator L4)
L6A "3.6 A, 3.3 uH" WE-MAIA_4020 -17.775,69.925 r0 top (schematic designator L6)
L6B "3.6 A, 3.3 uH" WE-MAIA_4020 -17.62,8.05 r0 top (schematic designator L6)
L8A "60R@100MHz" INDC4516X180N 37.925,81.525 r180 top (schematic designator L8)
L8B "60R@100MHz" INDC4516X180N 38.075,-43.538 r180 top (schematic designator L8)
L9A "60R@100MHz" INDC4516X180N 14.975,67.05 r90 top (schematic designator L9)
L9B "60R@100MHz" INDC4516X180N 15.645,-58.65 r90 top (schematic designator L9)
L10A "60R@100MHz" INDC4516X180N 43.983,72.563 r180 top (schematic designator L10)
L10B "60R@100MHz" INDC4516X180N 63.517,-75.599 r90 top (schematic designator L10)
L12A "120R@100MHz" INDC1608X95N -12.674,28.8 r90 top (schematic designator L12)
L12B "120R@100MHz" INDC1608X95N 26.2,42.691 r180 top (schematic designator L12)
L13A "120R@100MHz" INDC1608X95N -13.575,50.7 r270 top (schematic designator L13)
L13B "120R@100MHz" INDC1608X95N 18.724,23.197 r180 top (schematic designator L13)
L14A "1000R@100MHz" INDC1608X95N 14.1,84.8 r90 top (schematic designator L14)
L14B "1000R@100MHz" INDC1608X95N -2.3,-18.575 r0 bottom (schematic designator L14)
NT2 "Net Tie" "Net Tie" 64.525,125.275 r0 top net-tie
OSC1A "10-945MHz" OSC_SILICON-LAB_SI570 -11.866,34.02 r180 top (schematic designator OSC1)
OSC1B "10-945MHz" OSC_SILICON-LAB_SI570 19.625,39.575 r0 top (schematic designator OSC1)
OSC2A "10-945MHz" OSC_SILICON-LAB_SI570 -14.14,45.205 r0 top (schematic designator OSC2)
OSC2B "10-945MHz" OSC_SILICON-LAB_SI570 21.506,29.032 r180 top (schematic designator OSC2)
P0 "VPX Connector" BTB1-8-2H56M 59.304,138.465 r90 top locked
P1 "VPX Connector" BTB1-8-4H112M 59.304,124.065 r90 top locked
P2 "VPX Connector" BTB1-8-4H112M 59.304,95.265 r90 top locked
P3 "VPX Connector" BTB1-8-4H112M 59.304,52.445 r90 top locked
P4 "VPX Connector" BTB1-8-4H112M 59.304,23.645 r90 top locked
P5 "VPX Connector" BTB1-8-4H112M 59.304,-5.155 r90 top locked
P6 "VPX Connector" BTB1-8-4H112M 59.304,-33.955 r90 top locked
R1A "100k" RESC1005X40N 146.888,-44.628 r0 top (schematic designator R1)
R1B "100k" RESC1005X40N 105.046,-60.054 r90 top (schematic designator R1)
R2A "910k" RESC1005X40N -47.709,61.228 r90 top (schematic designator R2)
R2B "910k" RESC1005X40N -52.146,11.176 r270 top (schematic designator R2)
R3A "Undefined" RESC1005X40N -54.55,38 r0 bottom (schematic designator R3)
R3B "Undefined" RESC1005X40N -61.018,33.752 r180 bottom (schematic designator R3)
R4A "0" RESC1005X40N -51.459,61.253 r270 top (schematic designator R4)
R4B "0" RESC1005X40N -47.396,11.151 r90 top (schematic designator R4)
R5A "0" RESC1005X40N -53.67,61.265 r90 top (schematic designator R5)
R5B "0" RESC1005X40N -45.263,11.125 r270 top (schematic designator R5)
R6A "2k2" RESC1005X40N -11.45,28.9 r270 top (schematic designator R6)
R6B "2k2" RESC1005X40N 30.023,20.472 r0 top (schematic designator R6)
R7A "220k" RESC1005X40N -49.509,61.228 r270 top (schematic designator R7)
R7B "220k" RESC1005X40N -50.343,11.176 r90 top (schematic designator R7)
R8A "0" RESC1005X40N -45.109,60.703 r90 top (schematic designator R8)
R8B "0" RESC1005X40N -53.899,11.151 r270 top (schematic designator R8)
R9A "0R12" RESC2012X70N 40.175,78.525 r90 top (schematic designator R9)
R9B "0R12" RESC2012X70N 40.075,-46.538 r90 top (schematic designator R9)
R10A "18k" RESC1005X40N 149.885,-41.58 r0 top (schematic designator R10)
R10B "18k" RESC1005X40N 97.934,-60.054 r90 top (schematic designator R10)
R11A "10k" RESC1005X40N 146.291,-35.712 r0 top (schematic designator R11)
R11B "10k" RESC1005X40N 95.504,-31.14 r180 top (schematic designator R11)
R12A "120k" RESC1005X40N 153.467,-37.084 r0 top (schematic designator R12)
R12B "120k" RESC1005X40N 85.827,-32.385 r0 top (schematic designator R12)
R13A "10k" RESC1005X40N 152.565,-33.426 r0 top (schematic designator R13)
R13B "10k" RESC1005X40N 85.852,-33.579 r0 top (schematic designator R13)
R14A "10k" RESC1005X40N 145.86,-32.283 r0 top (schematic designator R14)
R14B "10k" RESC1005X40N 69.968,-54.11 r90 top (schematic designator R14)
R15A "0R01" RESC3216X80N -58.014,47.879 r0 top (schematic designator R15)
R15B "0R01" RESC3216X80N -61.189,24.155 r0 top (schematic designator R15)
R16A "10k" RESC1005X40N 143.358,-38.583 r0 top (schematic designator R16)
R16B "10k" RESC1005X40N 62.856,-54.11 r90 top (schematic designator R16)
R17A "0" RESC1005X40N -67.15,61.075 r270 top (schematic designator R17)
R17B "0" RESC1005X40N -60.444,11.551 r90 top (schematic designator R17)
R18A "43k" RESC1005X40N -63.15,61.075 r270 top (schematic designator R18)
R18B "43k" RESC1005X40N -63.717,11.527 r90 top (schematic designator R18)
R19A "0" RESC1005X40N -59.575,60.727 r90 top (schematic designator R19)
R19B "0" RESC1005X40N -68.351,12.725 r270 top (schematic designator R19)
R20A "0R005" RESC3216X80N -43.375,49.326 r0 top (schematic designator R20)
R20B "0R005" RESC3216X80N -47.142,26.721 r0 top (schematic designator R20)
R21A "39k" RESC1005X40N -68.025,61.075 r270 top (schematic designator R21)
R21B "39k" RESC1005X40N -59.479,11.551 r90 top (schematic designator R21)
R22A "0R01" RESC3216X80N -11.575,65.575 r0 top (schematic designator R22)
R22B "0R01" RESC3216X80N -13.82,4.825 r270 top (schematic designator R22)
R23A "10k" RESC1005X40N -50.749,45.187 r270 top (schematic designator R23)
R23B "10k" RESC1005X40N -61,30.725 r0 bottom (schematic designator R23)
R24A "10k" RESC1005X40N 218.35,55.05 r270 top (schematic designator R24)
R24B "10k" RESC1005X40N -43.237,30.882 r180 bottom (schematic designator R24)
R25A "0" RESC1005X40N -25.575,65.85 r0 top (schematic designator R25)
R25B "0" RESC1005X40N -25.418,4.442 r0 top (schematic designator R25)
R26A "10k" RESC1005X40N -58.149,54.775 r270 top (schematic designator R26)
R26B "10k" RESC1005X40N -60.842,21.14 r90 bottom (schematic designator R26)
R27A "10k" RESC1005X40N -11.475,72.1 r270 top (schematic designator R27)
R27B "10k" RESC1005X40N -18.395,5.325 r0 bottom (schematic designator R27)
R28A "36k" RESC1005X40N -25.55,68.975 r180 top (schematic designator R28)
R28B "36k" RESC1005X40N -25.42,8.175 r180 top (schematic designator R28)
R29A "39k" RESC1005X40N -25.6,64.925 r0 top (schematic designator R29)
R29B "39k" RESC1005X40N -25.44,1.7 r0 top (schematic designator R29)
R30A "15k" RESC1005X40N -25.55,68.05 r0 top (schematic designator R30)
R30B "15k" RESC1005X40N -25.42,7.2 r0 top (schematic designator R30)
R31A "2k2" RESC1005X40N -14.65,50.2 r90 top (schematic designator R31)
R31B "2k2" RESC1005X40N 21.674,23.997 r270 top (schematic designator R31)
R32A "2k2" RESC1005X40N -11.735,39.218 r90 top (schematic designator R32)
R32B "2k2" RESC1005X40N 19.55,34.58 r270 top (schematic designator R32)
R33A "2k2" RESC1005X40N -14.021,40.157 r270 top (schematic designator R33)
R33B "2k2" RESC1005X40N 21.615,34.14 r90 top (schematic designator R33)
R34A "10k" RESC1005X40N 104.4,-80.875 r0 top (schematic designator R34)
R34B "10k" RESC1005X40N 104.425,-90.95 r0 top (schematic designator R34)
R35A "10k" RESC1005X40N 114.983,-81.125 r0 top (schematic designator R35)
R35B "10k" RESC1005X40N 114.513,-90.95 r0 top (schematic designator R35)
R36A "10k" RESC1005X40N 104.55,-82.425 r0 top (schematic designator R36)
R36B "10k" RESC1005X40N 104.425,-92.3 r0 top (schematic designator R36)
R37A "10k" RESC1005X40N 114.983,-82.35 r0 top (schematic designator R37)
R37B "10k" RESC1005X40N 114.513,-92.3 r0 top (schematic designator R37)
R38A "10k" RESC1005X40N 104.55,-83.325 r0 top (schematic designator R38)
R38B "10k" RESC1005X40N 104.425,-93.175 r0 top (schematic designator R38)
R39A "10k" RESC1005X40N 114.983,-83.325 r0 top (schematic designator R39)
R39B "10k" RESC1005X40N 114.513,-93.175 r0 top (schematic designator R39)
R40A "10k" RESC1005X40N 104.55,-84.375 r0 top (schematic designator R40)
R40B "10k" RESC1005X40N 104.425,-94.075 r0 top (schematic designator R40)
R41A "10k" RESC1005X40N 114.983,-84.375 r0 top (schematic designator R41)
R41B "10k" RESC1005X40N 114.513,-94.075 r0 top (schematic designator R41)
R42A "10k" RESC1005X40N 104.55,-86.925 r180 top (schematic designator R42)
R42B "10k" RESC1005X40N 104.35,-96.95 r180 top (schematic designator R42)
R43 "10k" RESC1005X40N 62.856,-69.909 r90 top
R44 "10k" RESC1005X40N 68.698,-69.909 r90 top
R45A "10k" RESC1005X40N 36.925,78.1 r90 bottom (schematic designator R45)
R45B "10k" RESC1005X40N 37.075,-47.038 r90 bottom (schematic designator R45)
R46A "TC33X-2-105E" BOUR-TC33X-2_V -57.55,39.9 r270 top (schematic designator R46)
R46B "TC33X-2-105E" BOUR-TC33X-2_V -57.95,31.475 r90 top (schematic designator R46)
R47A "10k" RESC1005X40N -43.231,55.956 r270 top (schematic designator R47)
R47B "10k" RESC1005X40N -46.917,24.22 r90 bottom (schematic designator R47)
R48A "Undefined" RESC1005X40N -54.55,37.05 r180 bottom (schematic designator R48)
R48B "Undefined" RESC1005X40N -61.023,32.777 r0 bottom (schematic designator R48)
R52A "Undefined" RESC1005X40N -49.25,36.964 r180 bottom (schematic designator R52)
R52B "Undefined" RESC1005X40N -65.807,34.382 r0 bottom (schematic designator R52)
R53A "TC33X-2-105E" BOUR-TC33X-2_V -46.175,35.225 r90 top (schematic designator R53)
R53B "TC33X-2-105E" BOUR-TC33X-2_V -69.375,36.4 r270 top (schematic designator R53)
R54A "Undefined" RESC1005X40N -49.25,37.889 r0 bottom (schematic designator R54)
R54B "Undefined" RESC1005X40N -65.807,33.407 r180 bottom (schematic designator R54)
R55A "Undefined" RESC1005X40N -49.256,40.355 r180 bottom (schematic designator R55)
R55B "Undefined" RESC1005X40N -66.777,30.353 r0 bottom (schematic designator R55)
R56A "TC33X-2-105E" BOUR-TC33X-2_V -46.175,40 r270 top (schematic designator R56)
R56B "TC33X-2-105E" BOUR-TC33X-2_V -69.325,30.525 r90 top (schematic designator R56)
R57A "Undefined" RESC1005X40N -49.248,39.381 r0 bottom (schematic designator R57)
R57B "Undefined" RESC1005X40N -66.777,31.318 r180 bottom (schematic designator R57)
R58A "10k" RESC1005X40N -69.875,61.075 r270 top (schematic designator R58)
R58B "10k" RESC1005X40N -53.01,11.151 r270 top (schematic designator R58)
R60A "0" RESC1005X40N -68.95,61.075 r270 top (schematic designator R60)
R60B "0" RESC1005X40N -58.496,11.532 r90 top (schematic designator R60)
R61A "39k" RESC1005X40N -52.684,61.273 r270 top (schematic designator R61)
R61B "39k" RESC1005X40N -46.177,11.125 r90 top (schematic designator R61)
R63A "10k" RESC1005X40N 47.775,82.55 r0 top (schematic designator R63)
R63B "10k" RESC1005X40N 47.05,-42.263 r0 top (schematic designator R63)
R64A "0R22" RESC3216X70N 44.241,139.14 r180 top (schematic designator R64)
R64B "0R22" RESC3216X70N 42.976,-3.668 r180 top (schematic designator R64)
R65A "100k" RESC1005X40N 40.575,83.225 r0 top (schematic designator R65)
R65B "100k" RESC1005X40N 40.525,-41.625 r0 top (schematic designator R65)
R66A "10k" RESC1005X40N 225.825,-21.32 r90 top (schematic designator R66)
R66B "10k" RESC1005X40N 191.225,-14.775 r90 top (schematic designator R66)
R67A "22" RESC1005X40N 223.875,-21.35 r90 top (schematic designator R67)
R67B "22" RESC1005X40N 189.998,-14.753 r90 top (schematic designator R67)
R70A "10k" RESC1005X40N 42.191,136.74 r90 top (schematic designator R70)
R70B "10k" RESC1005X40N 39.651,-5.793 r90 top (schematic designator R70)
R71A "10k" RESC1005X40N 221.925,-23.425 r90 top (schematic designator R71)
R71B "10k" RESC1005X40N 189.175,-14.775 r90 top (schematic designator R71)
R72A "18k" RESC1005X40N 43.025,83.205 r90 top (schematic designator R72)
R72B "18k" RESC1005X40N 42.825,-41.8 r90 top (schematic designator R72)
R73A "240k" RESC1005X40N 46.05,79.475 r90 bottom (schematic designator R73)
R73B "240k" RESC1005X40N 45.45,-45.411 r90 bottom (schematic designator R73)
R76A "68k" RESC1005X40N -62.175,61.075 r90 top (schematic designator R76)
R76B "68k" RESC1005X40N 85.275,-53.634 r270 bottom (schematic designator R76)
R79A "24k" RESC1005X40N -56.439,50.419 r90 bottom (schematic designator R79)
R79B "24k" RESC1005X40N -57.887,25.705 r180 bottom (schematic designator R79)
R80A "75k" RESC1005X40N -58.43,50.375 r90 bottom (schematic designator R80)
R80B "75k" RESC1005X40N -57.879,26.624 r180 bottom (schematic designator R80)
R81A "10k" RESC1005X40N 44.1,79.2 r270 bottom (schematic designator R81)
R81B "10k" RESC1005X40N 43.725,-45.738 r270 bottom (schematic designator R81)
R82A "1k" RESC1005X40N 224.358,-17.322 r90 top (schematic designator R82)
R82B "1k" RESC1005X40N 184.35,-22.955 r90 top (schematic designator R82)
R83A "10k" RESC1005X40N 45.85,81.15 r0 bottom (schematic designator R83)
R83B "10k" RESC1005X40N 45.375,-43.688 r0 bottom (schematic designator R83)
R84A "1k" RESC1005X40N 207.95,-19.3 r180 top (schematic designator R84)
R84B "1k" RESC1005X40N 180.26,-16.653 r90 top (schematic designator R84)
R85A "10k" RESC1005X40N 43.9,128.37 r270 top (schematic designator R85)
R85B "10k" RESC1005X40N 84.11,-56.609 r90 bottom (schematic designator R85)
R86A "200" RESC1005X40N -12.9,33.37 r0 bottom (schematic designator R86)
R86B "200" RESC1005X40N 22.409,29.68 r0 bottom (schematic designator R86)
R87A "100k" RESC1005X40N 41.316,136.74 r270 top (schematic designator R87)
R87B "100k" RESC1005X40N 40.626,-5.793 r270 top (schematic designator R87)
R88A "47k" RESC1005X40N -9,67.55 r180 top (schematic designator R88)
R88B "47k" RESC1005X40N -13.945,2.575 r90 bottom (schematic designator R88)
R89A "0" RESC1005X40N -25.6,64 r0 top (schematic designator R89)
R89B "0" RESC1005X40N -23.22,3.5 r0 bottom (schematic designator R89)
R90A "62k" RESC1005X40N -9,69.35 r0 top (schematic designator R90)
R90B "62k" RESC1005X40N -14.92,2.575 r270 bottom (schematic designator R90)
R91A "68k" RESC1005X40N -64.077,61.075 r90 top (schematic designator R91)
R91B "68k" RESC1005X40N -64.692,11.527 r270 top (schematic designator R91)
R93A "18k" RESC1005X40N 41.766,135.39 r180 top (schematic designator R93)
R93B "18k" RESC1005X40N 40.126,-7.218 r0 top (schematic designator R93)
R94A "68k" RESC1005X40N -24.55,72.15 r180 top (schematic designator R94)
R94B "68k" RESC1005X40N -22.07,7.3 r0 bottom (schematic designator R94)
R95A "10k" RESC1005X40N 3.251,91.084 r90 top (schematic designator R95)
R95B "10k" RESC1005X40N 5.5,-18.7 r0 bottom (schematic designator R95)
R96A "10k" RESC1005X40N 2.362,91.084 r90 top (schematic designator R96)
R96B "10k" RESC1005X40N 6,-16.85 r270 bottom (schematic designator R96)
R97A "10k" RESC1005X40N 44.341,132.84 r90 top (schematic designator R97)
R97B "10k" RESC1005X40N 42.926,-10.293 r90 top (schematic designator R97)
R98A "4k7" RESC1005X40N -11.45,32.9 r90 bottom (schematic designator R98)
R98B "4k7" RESC1005X40N 20.35,40.7 r270 bottom (schematic designator R98)
R99A "240" RESC1005X40N 212.409,-17.122 r90 top (schematic designator R99)
R99B "240" RESC1005X40N 181.872,-17.853 r90 top (schematic designator R99)
R100A "240" RESC1005X40N 217.183,-17.397 r90 top (schematic designator R100)
R100B "240" RESC1005X40N 185.525,-18.175 r90 top (schematic designator R100)
R101A "240" RESC1005X40N 208.783,-17.397 r90 top (schematic designator R101)
R101B "240" RESC1005X40N 184.375,-18.175 r90 top (schematic designator R101)
R103A "4k7" RESC1005X40N -11.45,34.775 r270 bottom (schematic designator R103)
R103B "4k7" RESC1005X40N 20.35,38.825 r90 bottom (schematic designator R103)
R104A "10k" RESC1005X40N -17.574,34.38 r270 top (schematic designator R104)
R104B "10k" RESC1005X40N 26.425,39.225 r90 top (schematic designator R104)
R105A "10k" RESC1005X40N -17.574,36.15 r90 top (schematic designator R105)
R105B "10k" RESC1005X40N 26.425,37.325 r270 top (schematic designator R105)
R107A "10k" RESC1005X40N -115.7,72.25 r180 top (schematic designator R107)
R107B "10k" RESC1005X40N 80.635,-53.809 r270 bottom (schematic designator R107)
R108A "0" RESC1005X40N -7.468,31.826 r270 top (schematic designator R108)
R108B "0" RESC1005X40N 15.75,43.425 r90 top (schematic designator R108)
R109A "240" RESC1005X40N 215.732,-17.322 r90 top (schematic designator R109)
R109B "240" RESC1005X40N 180.685,-22.253 r90 top (schematic designator R109)
R110A "100k" RESC1005X40N -37.9,70.575 r90 top (schematic designator R110)
R110B "100k" RESC1005X40N 114.525,-36.075 r180 top (schematic designator R110)
R111A "200" RESC1005X40N -15.773,36.957 r270 top (schematic designator R111)
R111B "200" RESC1005X40N 24.025,36.775 r180 top (schematic designator R111)
R112A "200" RESC1005X40N -15.773,33.604 r90 top (schematic designator R112)
R112B "200" RESC1005X40N 24.025,39.775 r180 top (schematic designator R112)
R113A "10k" RESC1005X40N -18.349,34.375 r90 top (schematic designator R113)
R113B "10k" RESC1005X40N 25.45,39.225 r270 top (schematic designator R113)
R114A "10k" RESC1005X40N -18.349,36.13 r270 top (schematic designator R114)
R114B "10k" RESC1005X40N 25.45,37.325 r90 top (schematic designator R114)
R116A "10k" RESC1005X40N 217.5,-21.25 r90 top (schematic designator R116)
R116B "10k" RESC1005X40N 191.75,-19.5 r90 top (schematic designator R116)
R118A "22" RESC1005X40N 1.45,39.05 r270 top (schematic designator R118)
R118B "22" RESC1005X40N 6.35,36.15 r0 top (schematic designator R118)
R119A "0" RESC1005X40N -7.468,33.985 r90 top (schematic designator R119)
R119B "0" RESC1005X40N 15.775,40.65 r270 top (schematic designator R119)
R120A "4k7" RESC1005X40N -13.875,46.175 r270 bottom (schematic designator R120)
R120B "4k7" RESC1005X40N 20.925,28.275 r90 bottom (schematic designator R120)
R121A "4k7" RESC1005X40N -13.875,44.35 r90 bottom (schematic designator R121)
R121B "4k7" RESC1005X40N 20.925,30.15 r270 bottom (schematic designator R121)
R122A "10k" RESC1005X40N -7.7,44.875 r90 top (schematic designator R122)
R122B "10k" RESC1005X40N 15.1,29.355 r270 top (schematic designator R122)
R123A "10k" RESC1005X40N -7.7,43.05 r270 top (schematic designator R123)
R123B "10k" RESC1005X40N 15.1,31.305 r90 top (schematic designator R123)
R124A "0" RESC1005X40N -18.14,46.584 r90 top (schematic designator R124)
R124B "0" RESC1005X40N 25.541,25.077 r270 top (schematic designator R124)
R125A "200" RESC1005X40N -10.25,42.25 r90 top (schematic designator R125)